# Allegro board 6089-103-RevB_76.brd (continued)
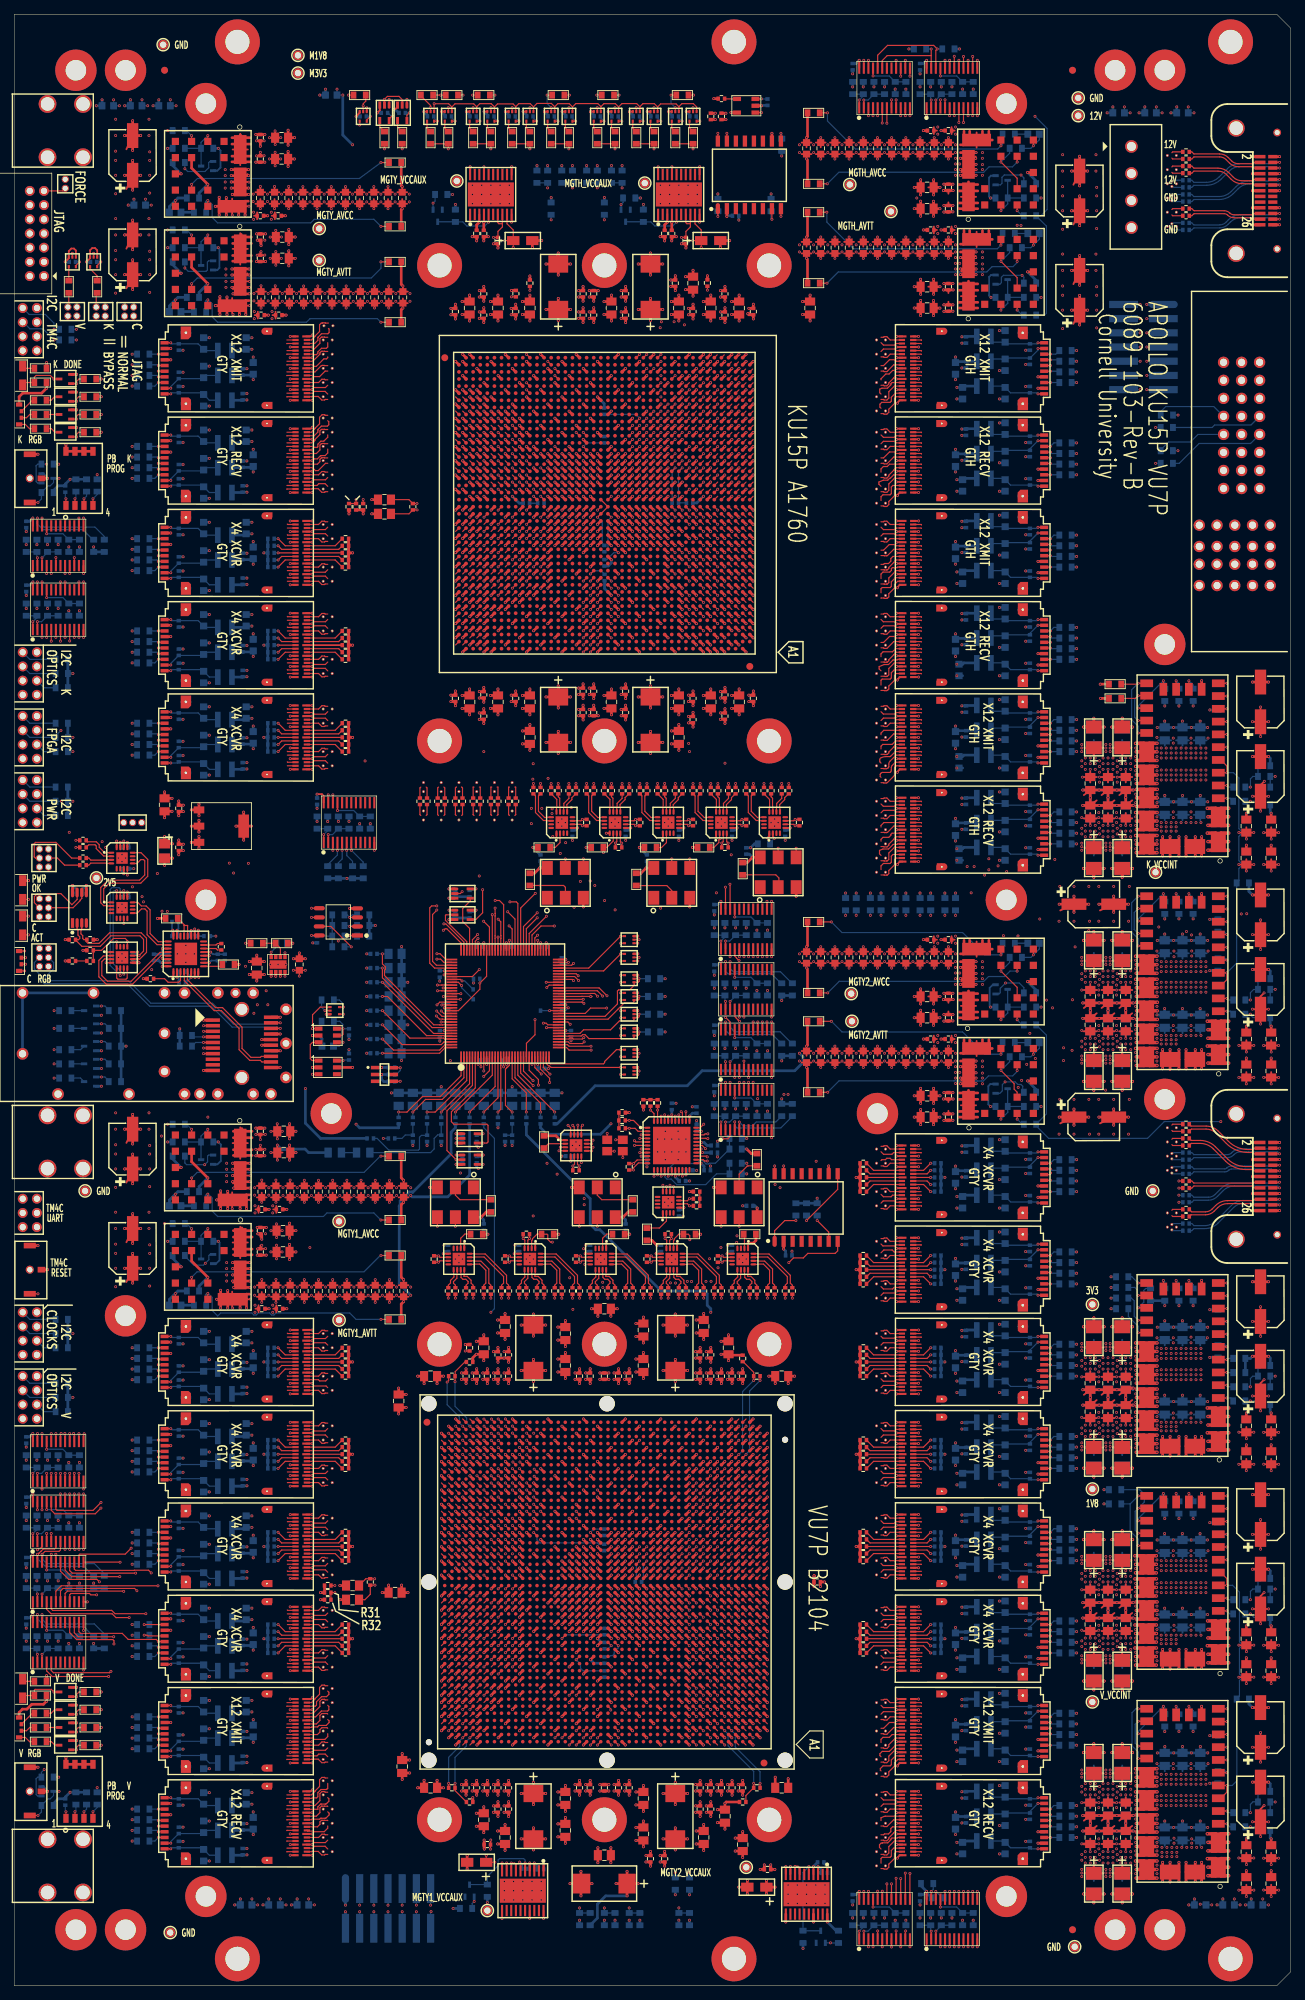
[diagram p0: board, top side]
## Routing (per net, layer and track width the routed paths; a pad name or vN(x,y) marks a point on that pad's centre or on a via; arc(x,y) is an arc through that point) (continued)
  TOP w0.165: U110.8 v1(146.07,115.9) ; 121.72,6.6 v1(121.72,7.73)
  SIG3 w0.079: v1(146.07,115.9) 144.71,115.9 136.41,107.6 136.41,21.3 132.04,16.93 127.92,16.93 121.72,10.74 v1(121.72,7.73)
  BOTTOM w0.165: R281.1 146.57,116.4 v1(146.07,115.9)
V_FF1_XCVR_I2C_SDA: length 126.3
  TOP w0.165: U110.7 v1(146.07,115.1) ; U101.4 v1(121.08,5.5)
  SIG1 w0.079: v1(146.07,115.1) 145.09,115.1 136.78,106.8 136.78,21.21 132.12,16.55 128.03,16.55 122.19,10.71 122.19,7.66 121.08,6.54 v1(121.08,5.5)
  BOTTOM w0.165: R282.1 146.32,114.9 146.27,114.95 146.23,114.95 v1(146.07,115.1)
V_FF2_XCVR_I2C_SCL: length 112.1
  TOP w0.165: U111.8 v1(146.07,102.9) ; U101.7 v1(123.03,7.73)
  SIG3 w0.079: v1(146.07,102.9) 143.56,102.9 137.19,96.53 137.19,21.04 132.31,16.16 128.2,16.16 123.6,11.56 123.6,8.31 v1(123.03,7.73)
  BOTTOM w0.165: R285.1 146.57,103.4 v1(146.07,102.9)
V_FF2_XCVR_I2C_SDA: length 113.4
  TOP w0.165: U111.7 v1(146.07,102.1) ; U101.6 v1(122.38,5.5)
  SIG1 w0.079: v1(122.38,5.5) 122.38,6.51 123.58,7.72 123.58,10.98 128.44,15.84 132.52,15.84 137.63,20.95 137.63,95.81 138.54,96.72 138.54,96.73 138.75,96.93 138.76,96.93 143.93,102.1 v1(146.07,102.1)
  BOTTOM w0.165: R286.1 146.27,101.9 v1(146.07,102.1)
V_FF3_XCVR_I2C_SCL: length 98.7
  TOP w0.165: U101.9 v1(124.33,7.73) ; U112.8 v1(146.07,89.9)
  SIG3 w0.079: v1(146.07,89.9) 143.3,89.9 138.07,84.67 138.07,20.81 132.72,15.46 128.63,15.46 124.67,11.49 124.67,8.07 v1(124.33,7.73)
  BOTTOM w0.165: v1(146.07,89.9) 146.57,90.4 R289.1
V_FF3_XCVR_I2C_SDA: length 100
  TOP w0.165: U101.8 v1(123.67,5.47) ; U112.7 v1(146.07,89.1)
  SIG1 w0.079: v1(146.07,89.1) 143.74,89.1 138.5,83.86 138.5,20.65 132.91,15.06 128.79,15.06 125,11.28 125,7.6 123.67,6.27 v1(123.67,5.47)
  BOTTOM w0.165: v1(146.07,89.1) 146.27,88.9 R290.1
V_FF4_XCVR_I2C_SCL: length 83.8
  TOP w0.165: U113.8 v1(146.07,76.9) ; v1(125.67,7.73) 125.67,7.67 125.62,7.63 U101.11
  SIG3 w0.079: v1(125.67,7.73) 126.08,8.14 126.08,11.93 128.85,14.71 133.08,14.71 139.34,20.96 139.34,70.6 145.64,76.9 v1(146.07,76.9)
  BOTTOM w0.165: R293.1 146.57,77.4 v1(146.07,76.9)
V_FF4_XCVR_I2C_SDA: length 85.5
  TOP w0.165: U113.7 v1(146.07,76.1) ; U101.10 v1(124.97,5.5)
  SIG1 w0.079: v1(146.07,76.1) 145.56,76.1 139.74,70.28 139.74,20.86 133.16,14.27 128.9,14.27 126.5,11.87 126.5,7.02 v1(124.97,5.5)
  BOTTOM w0.165: v1(146.07,76.1) 146.27,75.9 R294.1
V_FF5_XCVR_I2C_SCL: length 64.2
  TOP w0.165: U114.8 v1(146.07,63.9) ; U101.14 v1(125.62,15.88)
  SIG2 w0.079: v1(125.62,15.88) 126,16.26 128.36,16.26 129.85,17.75 129.85,48.06 132.36,50.56 132.36,50.64 132.56,50.84 132.64,50.84 145.69,63.9 v1(146.07,63.9)
  BOTTOM w0.165: v1(146.07,63.9) 146.57,64.4 R297.1
V_FF5_XCVR_I2C_SDA: length 62.9
  TOP w0.165: v1(126.28,15.83) U101.13 ; U114.7 v1(146.07,63.1)
  SIG4 w0.079: v1(146.07,63.1) 145.64,63.1 133.04,50.5 133.04,50.36 132.84,50.15 132.69,50.15 131.7,49.16 131.7,27.5 130.06,25.86 130.06,17.46 128.43,15.83 v1(126.28,15.83)
  BOTTOM w0.165: v1(146.07,63.1) 146.27,62.9 R298.1
V_FF6_XCVR_I2C_SCL: length 53.9
  TOP w0.165: U101.16 v1(124.33,15.15) ; U115.8 v1(146.07,50.9)
  SIG2 w0.079: v1(146.07,50.9) 144.6,50.9 133.94,40.24 133.94,40.21 133.73,40.01 133.71,40.01 133.49,39.79 133.45,39.79 133.25,39.59 133.25,39.55 132.21,38.51 132.21,18.05 129.56,15.4 125.2,15.4 125.13,15.47 124.82,15.47 124.81,15.46 124.64,15.46 v1(124.33,15.15)
  BOTTOM w0.165: R301.1 146.57,51.4 v1(146.07,50.9)
V_FF6_XCVR_I2C_SDA: length 52.1
  TOP w0.165: U115.7 v1(146.07,50.1) ; U101.15 v1(124.97,15.1)
  SIG4 w0.079: v1(124.97,15.1) 124.99,15.12 129.52,15.12 132.53,18.13 132.53,18.7 132.54,18.72 132.54,18.73 134.2,20.39 134.2,39.27 145.03,50.1 v1(146.07,50.1)
  BOTTOM w0.165: v1(146.07,50.1) 146.27,49.9 R302.1
V_FF7_XCVR_I2C_SCL: length 25.1
  TOP w0.165: 5.22,71.1 v1(5.22,72.2) ; U25.8 v1(20.33,85.9)
  SIG1 w0.079: v1(5.22,72.2) 5.22,73.62 6.91,75.31 9.74,75.31 v1(20.33,85.9)
  BOTTOM w0.165: v1(20.33,85.9) 19.83,85.4 R624.1
V_FF7_XCVR_I2C_SDA: length 26.6
  TOP w0.165: U25.7 v1(20.33,86.7) ; U3.4 v1(4.58,72.2)
  SIG1 w0.079: v1(4.58,72.2) 4.36,72.42 4.36,74.22 6.04,75.9 9.53,75.9 v1(20.33,86.7)
  BOTTOM w0.165: v1(20.33,86.7) 20.13,86.9 R623.1
V_FF8_XCVR_I2C_SCL: length 19.5
  TOP w0.165: U26.8 v1(20.33,72.9) ; U3.7 v1(6.53,72.2)
  SIG1 w0.079: v1(20.33,72.9) 18.85,74.38 7.46,74.38 6.53,73.44 v1(6.53,72.2)
  BOTTOM w0.165: v1(20.33,72.9) 19.83,72.4 R628.1
V_FF8_XCVR_I2C_SDA: length 19.8
  TOP w0.165: U26.7 v1(20.33,73.7) ; U3.6 v1(5.88,72.2)
  SIG1 w0.079: v1(5.88,72.2) 5.88,73.24 7.34,74.7 19.3,74.7 20.3,73.7 v1(20.33,73.7)
  BOTTOM w0.165: v1(20.33,73.7) 20.13,73.9 R627.1
V_FF9_XCVR_I2C_SCL: length 23.5
  TOP w0.165: U27.8 v1(20.33,59.9) ; U3.9 v1(7.83,72.2)
  SIG1 w0.079: v1(7.83,72.2) 7.83,72.61 8.31,73.09 9.74,73.09 18.99,63.84 18.99,61.24 v1(20.33,59.9)
  BOTTOM w0.165: v1(20.33,59.9) 19.83,59.4 R632.1
V_FF9_XCVR_I2C_SDA: length 24.2
  TOP w0.165: U27.7 v1(20.33,60.7) ; U3.8 v1(7.17,72.2)
  SIG1 w0.079: v1(7.17,72.2) 7.22,72.16 7.13,72.25 7.13,72.82 7.71,73.4 7.84,73.4 7.85,73.41 9.05,73.41 9.06,73.4 9.34,73.4 9.35,73.41 10.06,73.41 19.59,63.88 19.59,61.43 v1(20.33,60.7)
  BOTTOM w0.165: v1(20.33,60.7) 20.13,60.9 R631.1
V_FF10_XCVR_I2C_SCL: length 33.6
  TOP w0.165: U3.11 v1(9.12,72.2) ; U28.8 v1(20.33,46.9)
  SIG1 w0.079: v1(9.12,72.2) 17.72,63.61 17.72,49.15 19.97,46.9 v1(20.33,46.9)
  BOTTOM w0.165: R636.1 19.83,46.4 v1(20.33,46.9)
V_FF10_XCVR_I2C_SDA: length 34.2
  TOP w0.165: U28.7 v1(20.33,47.7) ; U3.10 v1(8.47,72.2)
  SIG1 w0.079: v1(8.47,72.2) 8.47,72.59 8.62,72.74 9.34,72.74 18.25,63.84 18.25,53.83 19.05,53.02 19.05,48.98 v1(20.33,47.7)
  BOTTOM w0.165: R635.1 20.13,47.9 v1(20.33,47.7)
V_FF11_RECV_I2C_SCL: length 32.9
  TOP w0.165: U117.8 v1(146.07,24.9) ; 121.72,12.2 v1(121.72,13.33)
  SIG2 w0.079: v1(146.07,24.9) 140.5,24.9 138.54,22.94 138.54,22.54 129.99,13.98 122.38,13.98 v1(121.72,13.33)
  BOTTOM w0.165: v1(146.07,24.9) 146.57,25.4 R309.1
V_FF11_RECV_I2C_SDA: length 31.5
  TOP w0.165: U117.7 v1(146.07,24.1) ; U101.19 v1(122.38,13.33)
  SIG4 w0.079: v1(122.38,13.33) 122.77,13.72 130.16,13.72 138.54,22.1 139.1,22.1 140.9,23.9 145.85,23.9 146.06,24.1 v1(146.07,24.1)
  BOTTOM w0.165: v1(146.07,24.1) 146.27,23.9 R310.1
V_FF11_XMIT_I2C_SCL: length 41.3
  TOP w0.165: U101.18 v1(123.03,14.36) ; U116.8 v1(146.07,37.9)
  SIG2 w0.079: v1(123.03,14.36) 123.4,14.73 129.81,14.73 134.8,19.72 134.8,26.61 146.07,37.88 v1(146.07,37.9)
  BOTTOM w0.165: R305.1 146.57,38.4 v1(146.07,37.9)
V_FF11_XMIT_I2C_SDA: length 40.2
  TOP w0.165: U116.7 v1(146.07,37.1) ; U101.17 v1(123.67,14.36)
  SIG4 w0.079: v1(123.67,14.36) 129.88,14.36 135.4,19.88 135.4,26.64 142.45,33.69 142.66,33.69 146.07,37.1 v1(146.07,37.1)
  BOTTOM w0.165: v1(146.07,37.1) 146.27,36.9 R306.1
V_FF12_RECV_I2C_SCL: length 65.8
  TOP w0.165: U30.8 v1(20.33,20.9) ; U3.16 v1(7.83,77.8)
  SIG4 w0.079: v1(20.33,20.9) 19.84,20.9 10.65,30.09 10.65,55.35 10.14,55.86 10.14,75.48 v1(7.83,77.8)
  BOTTOM w0.165: R644.1 19.83,20.4 v1(20.33,20.9)
V_FF12_RECV_I2C_SDA: length 64.7
  TOP w0.165: U3.15 8.47,77.83 v1(8.38,77.83) ; U30.7 v1(20.33,21.7)
  SIG2 w0.079: v1(20.33,21.7) 20.09,21.7 16.97,24.82 16.97,25.04 10.86,31.16 10.86,53.87 10.86,53.87 10.86,54.33 10.86,54.33 10.86,55.17 10.53,55.5 10.53,73.04 8.38,75.18 v1(8.38,77.83)
  BOTTOM w0.165: v1(20.33,21.7) 20.13,21.9 R643.1
V_FF12_XMIT_I2C_SCL: length 52
  TOP w0.165: U3.14 v1(9.12,77.8) ; U29.8 v1(20.33,33.9)
  SIG4 w0.079: v1(20.33,33.9) 19.5,34.73 19.5,35.8 12.38,42.92 12.38,57.25 10.88,58.74 10.88,76.04 v1(9.12,77.8)
  BOTTOM w0.165: R640.1 19.83,33.4 v1(20.33,33.9)
V_FF12_XMIT_I2C_SDA: length 50.9
  TOP w0.165: v1(9.87,77.78) 9.87,77.83 9.78,77.83 U3.13 ; U29.7 v1(20.33,34.7)
  SIG2 w0.079: v1(20.33,34.7) 12.83,42.2 12.83,57.35 11.2,58.99 11.2,76.45 v1(9.87,77.78)
  BOTTOM w0.165: v1(20.33,34.7) 20.13,34.9 R639.1
V_FPGA_DONE: length 96.1
  TOP w0.165: R21.2 9.14,41.4 8.8,41.06 v1(8.8,40.75) Q5.1 ; U66.AC12 v1(95.17,55.93)
  SIG3 w0.079: v1(8.8,40.75) 10.34,42.29 27.08,42.29 39.53,54.74 46.05,54.74 46.36,54.44 94.15,54.44 95.17,55.47 v1(95.17,55.93)
V_FPGA_I2C_SCL: length 130.5
  TOP w0.165: 47.52,161.1 v1(47.52,160) ; 79.69,65.41 v1(79.23,65.87)
  SIG2 w0.079: v1(47.52,160) 47.98,159.54 v1(76.98,159.54)
  SIG3 w0.079: v1(79.23,65.87) 78.7,66.4 78.7,93.98 78.26,94.42 78.26,97.45 77.66,98.05 77.66,106.99 77.15,107.5 77.15,115 75.8,116.34 75.8,126.6 77.7,128.5 77.7,132.96 76.98,133.68 v1(76.98,159.54)
  BOTTOM w0.165: v1(47.52,160) 49.2,158.32 R520.1
V_FPGA_I2C_SDA: length 129.6
  TOP w0.165: U66.AN27 v1(79.23,66.86) ; U36.6 v1(46.88,160)
  SIG2 w0.079: v1(79.81,155.61) 51.26,155.61 v1(46.88,160)
  SIG3 w0.079: v1(79.23,66.86) 79.23,66.94 79.81,67.53 79.81,84.49 80.18,84.86 80.18,100.23 79.38,101.03 79.38,106.03 80.03,106.68 80.03,107.67 79.7,108 79.7,115.04 80.02,115.35 80.02,115.55 80.49,116.02 80.49,121.41 79.9,122.01 79.9,138.8 79.85,138.85 79.85,139.15 79.9,139.2 79.9,141.47 79.93,141.5 79.93,141.81 79.9,141.84 79.9,155.53 v1(79.81,155.61)
  BOTTOM w0.165: R526.1 47.7,158.44 46.89,159.25 46.89,159.98 v1(46.88,160)
V_FPGA_PROGRAM: length 161.2
  TOP w0.165: v1(74.31,128.47) 73.4,129.38 U52.27
  SIG2 w0.079: v1(20.77,119.73) 22.94,121.9 35.38,121.9 40.51,127.03 54.67,127.03 55.15,127.5 66.99,127.5 67.97,128.47 v1(74.31,128.47)
  SIG3 w0.079: v1(20.77,119.73) 20.77,113.67 10.65,103.55 10.65,44.45 4.23,38.02 v1(4.23,30.47)
  BOTTOM w0.165: v1(4.23,30.47) 3.84,30.08 R712.2 3.32,29.4 3.09,29.17 3.09,26.95 3.29,26.75 Q27.1
V_GTY1_SEL_SYNTH: length 35.9
  TOP w0.165: v1(95.24,105.12) 95.24,105.69 95.03,105.9 R135.1 94.31,105.92 93.72,105.92 93.06,105.26 93.06,105.12 92.95,105.01 U83.2 ; U93.4 v1(101.58,128)
  SIG3 w0.079: v1(101.9,105.67) 101.9,105.67 103.04,106.81 103.04,110.04 102.86,110.22 102.86,122.36 102.19,123.03 102.19,125.41 101.58,126.03 v1(101.58,128)
  SIG4 w0.079: v1(101.9,105.67) 101.35,105.12 v1(95.24,105.12)
V_GTY2_SEL_SYNTH: length 57.8
  TOP w0.165: v1(75.86,104.78) 75.61,104.78 75.22,105.17 75.22,105.8 75.11,105.9 R106.1 74.31,105.92 73.72,105.92 73.06,105.26 73.06,105.12 72.95,105.01 U56.2 ; 102.22,129.1 v1(102.22,128)
  SIG3 w0.079: v1(102.22,128) 101.82,127.59 101.82,126.58 103.62,124.78 103.62,106.22 102.15,104.75 v1(101.85,104.75)
  SIG4 w0.079: v1(75.86,104.78) 83.14,104.78 83.31,104.95 83.59,104.95 83.76,104.78 93.14,104.78 93.31,104.95 94.88,104.95 95.09,104.75 v1(101.85,104.75)
V_LED_BLUE: length 81.1
  TOP w0.165: U66.C27 v1(79.23,35.94) ; Q6.1 v1(8.8,38.25) 8.8,38.6 9.1,38.9 R22.2
  SIG3 w0.079: v1(79.23,35.94) 78.79,35.5 75.12,35.5 74.75,35.13 74.75,33.15 74.14,32.54 61.37,32.54 59.26,30.43 56.46,30.43 56.14,30.74 38.66,30.74 38.4,30.49 37.43,30.49 36.65,31.26 36.65,32.63 34.06,35.22 25.29,35.22 22.25,38.25 20.5,38.25 20.48,38.27 20.17,38.27 20.15,38.25 v1(8.8,38.25)
V_LED_GREEN: length 75.9
  TOP w0.165: U66.B30 76.69,35.41 v1(76.23,34.95) ; Q7.1 v1(8.8,35.75) 8.8,36.15 9.04,36.4 R23.2
  SIG3 w0.079: v1(8.8,35.75) 14.97,35.75 17.25,33.47 21.92,33.47 21.92,33.47 22.23,33.47 22.23,33.47 23.44,33.47 23.67,33.69 33.71,33.69 37.12,30.28 46.31,30.28 46.42,30.39 56.12,30.39 56.43,30.09 59.52,30.09 61.48,32.04 74.83,32.04 76.23,33.45 v1(76.23,34.95)
V_LED_RED: length 75.8
  TOP w0.165: R24.2 9.09,33.9 8.8,33.61 v1(8.8,33.25) Q8.1 ; v1(77.22,34.95) 77.69,35.41 U66.B29
  SIG3 w0.079: v1(77.22,34.95) 77.22,33.69 75.31,31.77 75.31,31.73 75.23,31.66 61.73,31.66 59.84,29.77 56.03,29.77 55.9,29.64 55.61,29.64 55.32,29.93 29.18,29.93 26.37,32.73 14.95,32.73 14.43,33.25 v1(8.8,33.25)
V_MGTY1_AVCC: length 95.4
  TOP w0.165: U66.AY40 v1(66.23,73.87) ; U66.R38 v1(68.23,47.93) ; U66.AL38 v1(68.23,64.86) ; U66.U39 v1(67.24,49.93) ; U66.L38 v1(68.23,43.94) ; U66.T36 v1(70.24,48.94) ; 70.7,65.41 v1(70.24,65.87) ; U66.N39 v1(67.24,45.95) ; U66.AR38 v1(68.23,68.87) ; U66.V37 v1(69.25,50.92) ; U66.AF37 v1(69.25,59.85) ; U66.AD36 v1(70.24,57.87) ; U66.P37 v1(69.25,46.94) ; U66.AP37 v1(69.25,67.86) ; U66.M36 v1(70.24,44.93) ; C88.1 v1(54.9,110.4) ; U66.AT36 v1(70.24,69.86) ; U66.AG38 v1(68.23,60.87) ; U66.AW38 v1(68.23,72.86)
  TOP w0.254: 30.73,109.67 U17.3 30.73,111.8 ; C71.1 48.9,111.75 ; C71.1 49.59,111.09 ; C71.1 48.21,111.09 ; C71.1 48.9,110.43 ; 36.95,108.92 C38.1 ; C38.1 36.95,109.88 ; C38.1 36.52,109.4 ; C88.1 55.59,111.09 ; C88.1 54.9,111.75 ; C88.1 54.21,111.09 ; 52.9,110.43 C81.1 ; C81.1 52.9,111.75 ; C81.1 52.21,111.09 ; C81.1 53.59,111.09 ; C76.1 50.9,111.75 ; C76.1 50.9,110.43 ; C76.1 51.59,111.09 ; C76.1 50.21,111.09 ; 34.21,111.09 C28.1 ; C28.1 34.9,110.43 ; C28.1 34.9,111.75 ; C28.1 35.59,111.09 ; C34.1 36.9,111.75 ; C34.1 36.9,110.43 ; C34.1 37.59,111.09 ; C34.1 36.21,111.09 ; 34.45,108.92 C29.1 ; C29.1 34.02,109.4 ; C29.1 34.45,109.88 ; C59.1 43.59,111.09 ; C59.1 42.9,110.43 ; C59.1 42.9,111.75 ; C59.1 42.21,111.09 ; 46.21,111.09 C67.1 ; C67.1 46.9,111.75 ; C67.1 47.59,111.09 ; C67.1 46.9,110.43 ; 44.21,111.09 C63.1 ; C63.1 45.59,111.09 ; C63.1 44.9,111.75 ; C63.1 44.9,110.43 ; C50.1 38.9,111.75 ; C50.1 39.59,111.09 ; C50.1 38.9,110.43 ; C50.1 38.21,111.09 ; C55.1 41.59,111.09 ; C55.1 40.9,110.43 ; C55.1 40.9,111.75 ; C55.1 40.21,111.09 ; 33.13,110.73 32.75,110.73
  TOP w0.381: 33.2,111.45 32.75,111.45 32.75,110.73 ; 30.1,110.73 U17.3 31.85,110.73 ; 30.1,110.73 v1(30.1,111.95) ; 30.1,110.73 v1(30.1,109.5) ; 30.1,110.73 29.1,110.73 ; 29.1,110.73 v1(29.1,109.5) ; 29.1,110.73 v1(28.55,110.73) ; 29.1,110.73 v1(29.1,112) ; v1(32.75,109.5) 32.75,110.73 ; 32.75,110.73 31.85,110.73 ; R78.2 54.56,110.06 v1(54.9,110.4) ; v1(68.15,21.81) C139.1 v1(69.2,22.72) ; 31.85,110.73 v1(31.85,109.5) ; v1(68.15,91.99) C138.1 v1(69.2,91.08) ; v1(69.7,87.87) C142.1 v1(69.06,88.45) C133.1 v1(68.2,87.87) ; v1(69.7,25.93) C145.1 v1(69.06,25.35) ; v1(67.56,25.35) C136.1 v1(68.2,25.93)
  PWR3 w0.254: 45.13,108.37 PM1.1 ; PM1.1 46.47,107.03 ; PM1.1 45.8,108.58 ; PM1.1 45.8,106.82 ; PM1.1 44.92,107.7 ; PM1.1 46.68,107.7 ; PM1.1 45.13,107.03 ; PM1.1 46.47,108.37
  BOTTOM w0.381: R497.1 64.2,114.24 61.12,111.17 56.09,111.17 v1(55.9,111.35)
  vias: v1(30.74,109.5) v1(33.3,110.75) v1(33.9,111.4) v1(33.95,109.9) v1(33.95,108.9) v1(34.9,110.4) v1(35.9,111.4) v1(36.45,109.9) v1(36.45,108.9) v1(36.9,110.4) v1(37.9,111.35) v1(38.9,110.4) v1(39.9,111.35) v1(40.9,110.4) v1(41.9,111.35) v1(42.9,110.4) v1(43.9,111.35) v1(44.9,110.4) v1(45.9,111.35) v1(46.9,110.4) v1(47.9,111.35) v1(48.9,110.4) v1(49.9,111.35) v1(50.9,110.4) v1(51.9,111.35) v1(52.9,110.4) v1(53.9,111.35) v1(69.25,60.87) v1(70.24,60.87) v1(73.24,77.86)
V_MGTY1_AVCC_OK: length 56.9
  TOP w0.165: v1(73.14,127.55) 71.8,128.89 U52.23 ; U17.9 v1(25.01,120.69)
  SIG2 w0.079: v1(73.14,127.55) 67.7,127.55 67.19,127.03 55.35,127.03 54.78,126.47 41.58,126.47 36.62,121.5 25.82,121.5 v1(25.01,120.69)
  BOTTOM w0.165: v1(25.01,120.69) 24.3,121.4 R595.2
V_MGTY1_AVTT: length 118.1
  TOP w0.165: U66.M40 v1(66.23,44.93) ; U66.C45 v1(61.25,35.94) ; C89.1 v1(54.9,96.4) ; U66.K41 v1(65.23,42.95) ; U66.H40 v1(66.23,40.94) ; U66.AH40 v1(66.23,61.86) ; U66.AA39 v1(67.24,53.95) ; U66.P41 v1(65.23,46.94) ; U66.AE39 v1(67.24,58.86) ; U66.W38 v1(68.23,51.94) ; U66.AJ39 v1(67.24,62.88) ; U66.D43 v1(63.23,36.93) ; U66.BD45 v1(61.25,77.86) ; U66.BE44 v1(62.24,78.85) ; U66.AU39 v1(67.24,70.85) ; U66.AK41 v1(65.23,63.87) ; U66.F42 v1(64.24,38.93) ; U66.Y40 v1(66.23,52.93) ; U66.BC43 v1(63.23,76.87) ; U66.AV41 v1(65.23,71.87) ; U66.AB41 v1(65.23,54.94) ; U66.BA42 v1(64.24,74.87) ; U66.BA43 v1(63.23,74.87) ; U66.V41 v1(65.23,50.92) ; U66.AC38 v1(68.23,55.93) ; U66.F43 v1(63.23,38.93) ; U66.AP41 v1(65.23,67.86) ; 66.69,65.41 v1(66.23,65.87) ; U66.AD40 v1(66.23,57.87) ; U66.AN39 v1(67.24,66.86) ; U66.AT40 v1(66.23,69.86) ; U66.T40 v1(66.23,48.94) ; U66.AF41 v1(65.23,59.85)
  TOP w0.254: C77.1 50.9,97.75 ; C77.1 51.59,97.09 ; C77.1 50.9,96.43 ; C77.1 50.21,97.09 ; C72.1 49.59,97.09 ; C72.1 48.21,97.09 ; C72.1 48.9,96.43 ; C72.1 48.9,97.75 ; 30.73,95.67 U18.3 30.73,97.8 ; C35.1 37.59,97.09 ; C35.1 36.9,97.75 ; C35.1 36.9,96.43 ; C35.1 36.21,97.09 ; C60.1 43.59,97.09 ; C60.1 42.9,96.43 ; C60.1 42.9,97.75 ; C60.1 42.21,97.09 ; C68.1 47.59,97.09 ; C68.1 46.9,96.43 ; C68.1 46.21,97.09 ; C68.1 46.9,97.75 ; C64.1 44.9,97.75 ; C64.1 44.21,97.09 ; C64.1 45.59,97.09 ; C64.1 44.9,96.43 ; 34.9,96.43 C30.1 ; C30.1 34.9,97.75 ; C30.1 34.21,97.09 ; C30.1 35.59,97.09 ; C51.1 38.9,97.75 ; C51.1 38.9,96.43 ; C51.1 38.21,97.09 ; C51.1 39.59,97.09 ; C56.1 41.59,97.09 ; C56.1 40.9,97.75 ; C56.1 40.21,97.09 ; C56.1 40.9,96.43 ; 33.13,96.73 32.75,96.73 ; 54.21,97.09 C89.1 ; C89.1 54.9,97.75 ; C89.1 55.59,97.09 ; 52.9,96.43 C82.1 ; C82.1 52.9,97.75 ; C82.1 53.59,97.09 ; C82.1 52.21,97.09 ; 34.02,95.4 C31.1 ; C31.1 34.45,94.92 ; C31.1 34.45,95.88 ; C39.1 36.95,95.88 ; C39.1 36.95,94.92 ; C39.1 36.52,95.4
  TOP w0.381: 32.75,96.73 31.85,96.73 ; 32.75,96.73 v1(32.75,95.5) ; 32.75,96.73 32.75,97.45 33.2,97.45 ; 31.85,96.73 v1(31.85,95.5) ; 31.85,96.73 U18.3 30.1,96.73 ; v1(54.9,96.4) 54.56,96.06 R80.2 ; v1(65.2,28.93) C113.1 v1(64.56,28.35) ; 30.1,96.73 29.1,96.73 ; 30.1,96.73 v1(30.1,97.95) ; 30.1,96.73 v1(30.1,95.5) ; 29.1,96.73 v1(29.1,98) ; 29.1,96.73 v1(29.1,95.5) ; 29.1,96.73 v1(28.55,96.73) ; v1(64.56,85.45) C112.1 v1(65.2,84.87) ; v1(66.7,28.93) C125.1 v1(66.06,28.35) ; v1(66.2,88.08) C122.1 v1(65.15,88.99) 64.65,88.49 R90.2 ; v1(66.06,85.45) C124.1 v1(66.7,84.87) ; v1(65.15,24.31) C123.1 v1(66.2,25.22) ; R91.2 v1(64.65,26.51)
  PWR3 w0.254: PM3.1 46.47,93.13 ; PM3.1 45.8,92.92 ; PM3.1 44.92,93.8 ; PM3.1 45.8,94.68 ; PM3.1 45.13,93.13 ; PM3.1 46.47,94.47 ; PM3.1 45.13,94.47 ; PM3.1 46.68,93.8
  BOTTOM w0.381: R500.1 62.2,120.89 61.6,120.29 61.6,117.22 56.17,111.79 56.11,111.86 55.69,111.86 55.39,111.56 55.39,111.18 55.11,110.9 54.69,110.9 54.4,110.61 54.4,110.02 54.27,109.89 54.27,98.92 v1(55.9,97.3)
  vias: v1(30.8,95.5) v1(33.3,96.75) v1(33.9,97.3) v1(33.95,95.9) v1(33.95,94.9) v1(34.9,96.3) v1(35.9,97.3) v1(36.45,95.9) v1(36.45,94.9) v1(36.9,96.3) v1(37.9,97.3) v1(38.9,96.3) v1(39.9,97.3) v1(40.9,96.3) v1(41.9,97.3) v1(42.9,96.3) v1(43.9,97.3) v1(44.9,96.3) v1(45.9,97.3) v1(46.9,96.3) v1(47.9,97.3) v1(48.9,96.3) v1(49.9,97.3) v1(50.9,96.3) v1(51.9,97.3) v1(52.9,96.3) v1(53.9,97.3)
V_MGTY1_AVTT_OK: length 74.4
  TOP w0.165: v1(73.17,126.84) 71.4,128.6 U52.22 ; U18.9 v1(25.01,106.69)
  SIG3 w0.079: v1(73.17,126.84) v1(73.17,108.47)
  SIG4 w0.079: v1(73.17,108.47) 72.77,108.87 43.47,108.87 43,108.4 26.72,108.4 v1(25.01,106.69)
  BOTTOM w0.165: R598.2 24.3,107.4 v1(25.01,106.69)
V_MGTY1_VCCAUX: length 47.3
  TOP w0.165: v1(67.18,20.54) 67.18,20.36 67.15,20.32 C126.1 v1(67.15,19.27) ; U54.9 v1(69.42,17.3) ; 70.72,16.2 70.72,17.12 70.56,17.29 70.09,17.29 v1(70.08,17.3) U54.8 ; v1(67.75,17.4) C114.1 v1(66.55,18.37)
  TOP w0.381: U66.AK36 v1(70.24,63.87) ; v1(67.56,28.35) C135.1 v1(68.2,28.93) ; U66.AB36 v1(70.24,54.94) ; U66.AH36 v1(70.24,61.86) ; U66.Y36 v1(70.24,52.93) ; v1(68.2,84.87) C134.1 v1(67.56,85.45)
  SIG4 w0.079: v1(67.75,17.4) 66.36,16 66.36,10.94 PM4.1
  BOTTOM w0.165: R496.1 66.2,120.9 67.7,119.4 67.7,95.4 v1(67.2,94.9)
V_MGTY2_AVCC: length 88.1
  TOP w0.165: U66.N11 v1(96.16,45.95) ; U66.AG10 v1(97.15,60.87) ; U66.J11 v1(96.16,41.93) ; U66.A7 v1(100.17,33.93) ; U66.AA11 v1(96.16,53.95) ; U66.C10 v1(97.15,35.94) ; U66.AV9 v1(98.17,71.87) ; U66.AU11 v1(96.16,70.85) ; U66.W10 v1(97.15,51.94) ; U66.AW7 v1(100.17,72.86) ; C313.1 v1(111.7,146.4) ; U66.B9 v1(98.17,34.95) ; U66.AL10 v1(97.15,64.86) ; U66.G10 v1(97.15,39.93) ; U66.AP9 v1(98.17,67.86) ; U66.E11 v1(96.16,37.94) ; U66.L10 v1(97.15,43.94) ; U66.A11 v1(96.16,33.93) ; U66.AR10 v1(97.15,68.87) ; U66.AJ11 v1(96.16,62.88) ; U66.AN11 v1(96.16,66.86)
  TOP w0.254: C359.1 129.65,147.88 ; C359.1 130.08,147.4 ; C359.1 129.65,146.92 ; 132.15,146.92 C373.1 ; C373.1 132.58,147.4 ; C373.1 132.15,147.88 ; 131.01,145.71 C374.1 ; C374.1 131.7,145.05 ; C374.1 131.7,146.37 ; C374.1 132.39,145.71 ; 117.01,145.71 C327.1 ; C327.1 117.7,145.05 ; C327.1 117.7,146.37 ; C327.1 118.39,145.71 ; C343.1 126.39,145.71 ; C343.1 125.01,145.71 ; C343.1 125.7,145.05 ; C343.1 125.7,146.37 ; 113.7,145.05 C319.1 ; C319.1 113.7,146.37 ; C319.1 113.01,145.71 ; C319.1 114.39,145.71 ; 121.7,145.05 C335.1 ; C335.1 121.01,145.71 ; C335.1 121.7,146.37 ; C335.1 122.39,145.71 ; C339.1 123.7,146.37 ; C339.1 123.7,145.05 ; C339.1 124.39,145.71 ; C339.1 123.01,145.71 ; 119.7,145.05 C331.1 ; C331.1 120.39,145.71 ; C331.1 119.7,146.37 ; C331.1 119.01,145.71 ; 111.01,145.71 C313.1 ; C313.1 111.7,145.05 ; C313.1 112.39,145.71 ; C363.1 129.7,146.37 ; C363.1 129.01,145.71 ; C363.1 130.39,145.71 ; C363.1 129.7,145.05 ; 135.68,147.13 135.68,145 ; C323.1 116.39,145.71 ; C323.1 115.7,146.37 ; C323.1 115.7,145.05 ; C323.1 115.01,145.71 ; C347.1 127.7,146.37 ; C347.1 128.39,145.71 ; C347.1 127.7,145.05 ; C347.1 127.01,145.71
  TOP w0.381: 137.4,147.3 137.4,146.07 ; 137.4,146.07 136.5,146.07 136.5,147.3 ; 137.4,146.07 137.88,146.07 ; 134.7,146.07 134.1,146.07 ; 134.7,146.07 135.68,146.07 ; 134.7,146.07 134.7,147.3 ; 134.1,146.07 133.9,146.07 133.9,147.3 ; 134.1,146.07 134.1,145.65 133.85,145.4 133.4,145.4 ; R157.2 111.84,146.54 v1(111.7,146.4) ; v1(98.2,87.87) C265.1 v1(97.56,88.45) ; v1(96.15,21.81) C259.1 v1(97.2,22.72) ; v1(96.15,91.99) C258.1 v1(97.2,91.08) ; v1(96.7,87.87) C253.1 v1(96.06,88.45) ; v1(96.7,25.93) C256.1 v1(96.06,25.35) ; v1(98.2,25.93) C268.1 v1(97.56,25.35)
  PWR3 w0.254: PM19.1 118.67,139.13 ; PM19.1 117.33,139.13 ; PM19.1 118,140.68 ; PM19.1 118.88,139.8 ; PM19.1 117.33,140.47 ; PM19.1 118.67,140.47 ; PM19.1 118,138.92 ; PM19.1 117.12,139.8
  BOTTOM w0.381: R487.1 74.2,120.89 75.11,119.98 82.65,119.98 v1(84.12,121.46)
  vias: v1(110.7,145.4) v1(112.7,145.4) v1(113.7,146.4) v1(114.7,145.4) v1(115.7,146.4) v1(116.7,145.4) v1(117.7,146.4) v1(118.7,145.4) v1(119.7,146.4) v1(120.7,145.4) v1(121.7,146.4) v1(122.7,145.4) v1(123.7,146.4) v1(124.7,145.4) v1(125.7,146.4) v1(126.7,145.4) v1(127.7,146.4) v1(128.7,145.4) v1(129.7,146.4) v1(130.2,147.9) v1(130.2,146.9) v1(130.7,145.4) v1(131.7,146.4) v1(132.7,147.9) v1(132.7,146.9) v1(132.7,145.4)
V_MGTY2_AVCC_OK: length 76.8
  TOP w0.165: U120.9 v1(141.39,136.11) ; U52.24 72.22,130.91 72.22,132.8 73.42,134 v1(73.42,136.13)
  SIG4 w0.079: v1(141.39,136.11) 141.27,136.11 140.09,137.3 130.5,137.3 130.09,136.9 93.06,136.9 92.22,136.06 73.49,136.06 v1(73.42,136.13)
  BOTTOM w0.165: v1(141.39,136.11) 142.1,135.4 R321.2
V_MGTY2_AVTT: length 127.8
  TOP w0.165: U66.AC6 v1(101.17,55.93) ; U66.Y8 v1(99.16,52.93) ; U66.W6 v1(101.17,51.94) ; U66.T8 v1(99.16,48.94) ; U66.AF9 v1(98.17,59.85) ; U66.F9 v1(98.17,38.93) ; U66.R6 v1(101.17,47.93) ; U66.BC5 v1(102.16,76.87) ; U66.BD2 v1(105.15,77.86) ; U66.N7 v1(100.17,45.95) ; U66.M8 v1(99.16,44.93) ; 98.69,65.41 v1(99.16,65.87) ; U66.K9 v1(98.17,42.95) ; U66.AD8 v1(99.16,57.87) ; U66.AK9 v1(98.17,63.87) ; U66.G6 v1(101.17,39.93) ; U66.AT8 v1(99.16,69.86) ; U66.AH8 v1(99.16,61.86) ; U66.AR6 v1(101.17,68.87) ; U66.U7 v1(100.17,49.93) ; U66.AJ7 v1(100.17,62.88) ; U66.J7 v1(100.17,41.93) ; U66.BE4 v1(103.17,78.85) ; U66.AU7 v1(100.17,70.85) ; U66.AG6 v1(101.17,60.87) ; U66.AE7 v1(100.17,58.86) ; U66.B3 v1(104.16,34.95) ; U66.H8 v1(99.16,40.94) ; U66.AB9 v1(98.17,54.94) ; U66.L6 v1(101.17,43.94) ; U66.D8 v1(99.16,36.93) ; U66.AN7 v1(100.17,66.86) ; U66.P9 v1(98.17,46.94) ; C314.1 v1(111.7,132.4) ; U66.V9 v1(98.17,50.92) ; U66.AL6 v1(101.17,64.86) ; U66.E7 v1(100.17,37.94)
  TOP w0.254: 115.01,131.71 C324.1 ; C324.1 116.39,131.71 ; C324.1 115.7,132.37 ; C324.1 115.7,131.05 ; 111.01,131.71 C314.1 ; C314.1 111.7,131.05 ; C314.1 112.39,131.71 ; C336.1 122.39,131.71 ; C336.1 121.01,131.71 ; C336.1 121.7,131.05 ; C336.1 121.7,132.37 ; 117.01,131.71 C328.1 ; C328.1 117.7,132.37 ; C328.1 117.7,131.05 ; C328.1 118.39,131.71 ; 125.01,131.71 C344.1 ; C344.1 126.39,131.71 ; C344.1 125.7,132.37 ; C344.1 125.7,131.05 ; C377.1 132.15,133.88 ; C377.1 132.58,133.4 ; C377.1 132.15,132.92 ; 127.01,131.71 C348.1 ; C348.1 128.39,131.71 ; C348.1 127.7,132.37 ; C348.1 127.7,131.05 ; 113.7,131.05 C320.1 ; C320.1 113.7,132.37 ; C320.1 113.01,131.71 ; C320.1 114.39,131.71 ; 123.01,131.71 C340.1 ; C340.1 124.39,131.71 ; C340.1 123.7,132.37 ; C340.1 123.7,131.05 ; C378.1 131.7,132.37 ; C378.1 131.01,131.71 ; C378.1 132.39,131.71 ; C378.1 131.7,131.05 ; C364.1 129.7,132.37 ; C364.1 129.01,131.71 ; C364.1 129.7,131.05 ; C364.1 130.39,131.71 ; 119.7,131.05 C332.1 ; C332.1 120.39,131.71 ; C332.1 119.01,131.71 ; C332.1 119.7,132.37 ; 129.65,132.92 C360.1 ; C360.1 130.08,133.4 ; C360.1 129.65,133.88 ; 135.68,131 135.68,133.13
  TOP w0.381: C282.1 v1(99.65,88.99) ; C282.1 100.84,88.85 R145.2 ; C282.1 v1(100.7,88.08) ; v1(101.2,84.87) C284.1 v1(100.56,85.45) ; 134.7,132.07 134.1,132.07 ; 134.7,132.07 134.7,133.3 ; 134.7,132.07 135.68,132.07 ; 134.1,132.07 134.1,131.65 133.85,131.4 133.4,131.4 ; 134.1,132.07 133.9,132.07 133.9,133.3 ; R146.2 100.38,25.9 v1(100.2,25.72) C280.1 v1(99.15,24.81) ; v1(99.7,28.93) C275.1 v1(99.06,28.35) ; v1(100.56,28.35) C285.1 v1(101.2,28.93) ; v1(111.7,132.4) 111.84,132.54 R159.2 ; 137.4,132.07 136.5,132.07 136.5,133.3 ; 137.4,132.07 137.4,133.3 ; 137.4,132.07 137.88,132.07 ; v1(99.06,85.45) C274.1 v1(99.7,84.87)
  SIG3 w0.381: v1(117.7,132.4) 118.1,132.8 PM20.1
  BOTTOM w0.381: R483.1 76.53,121.45 81.89,126.81 94.87,126.81 96.99,128.93 110.03,128.93 111.2,130.09 111.2,130.9 v1(110.7,131.4)
  vias: v1(112.7,131.4) v1(113.7,132.4) v1(114.7,131.4) v1(115.7,132.4) v1(116.7,131.4) v1(118.7,131.4) v1(119.7,132.4) v1(120.7,131.4) v1(121.7,132.4) v1(122.7,131.4) v1(123.7,132.4) v1(124.7,131.4) v1(125.7,132.4) v1(126.7,131.4) v1(127.7,132.4) v1(128.7,131.4) v1(129.7,132.4) v1(130.2,133.9) v1(130.2,132.9) v1(130.7,131.4) v1(131.7,132.4) v1(132.7,133.9) v1(132.7,132.9) v1(132.7,131.4)
